# KiCad board CPU2908C3bak.kicad_pcb (continued)
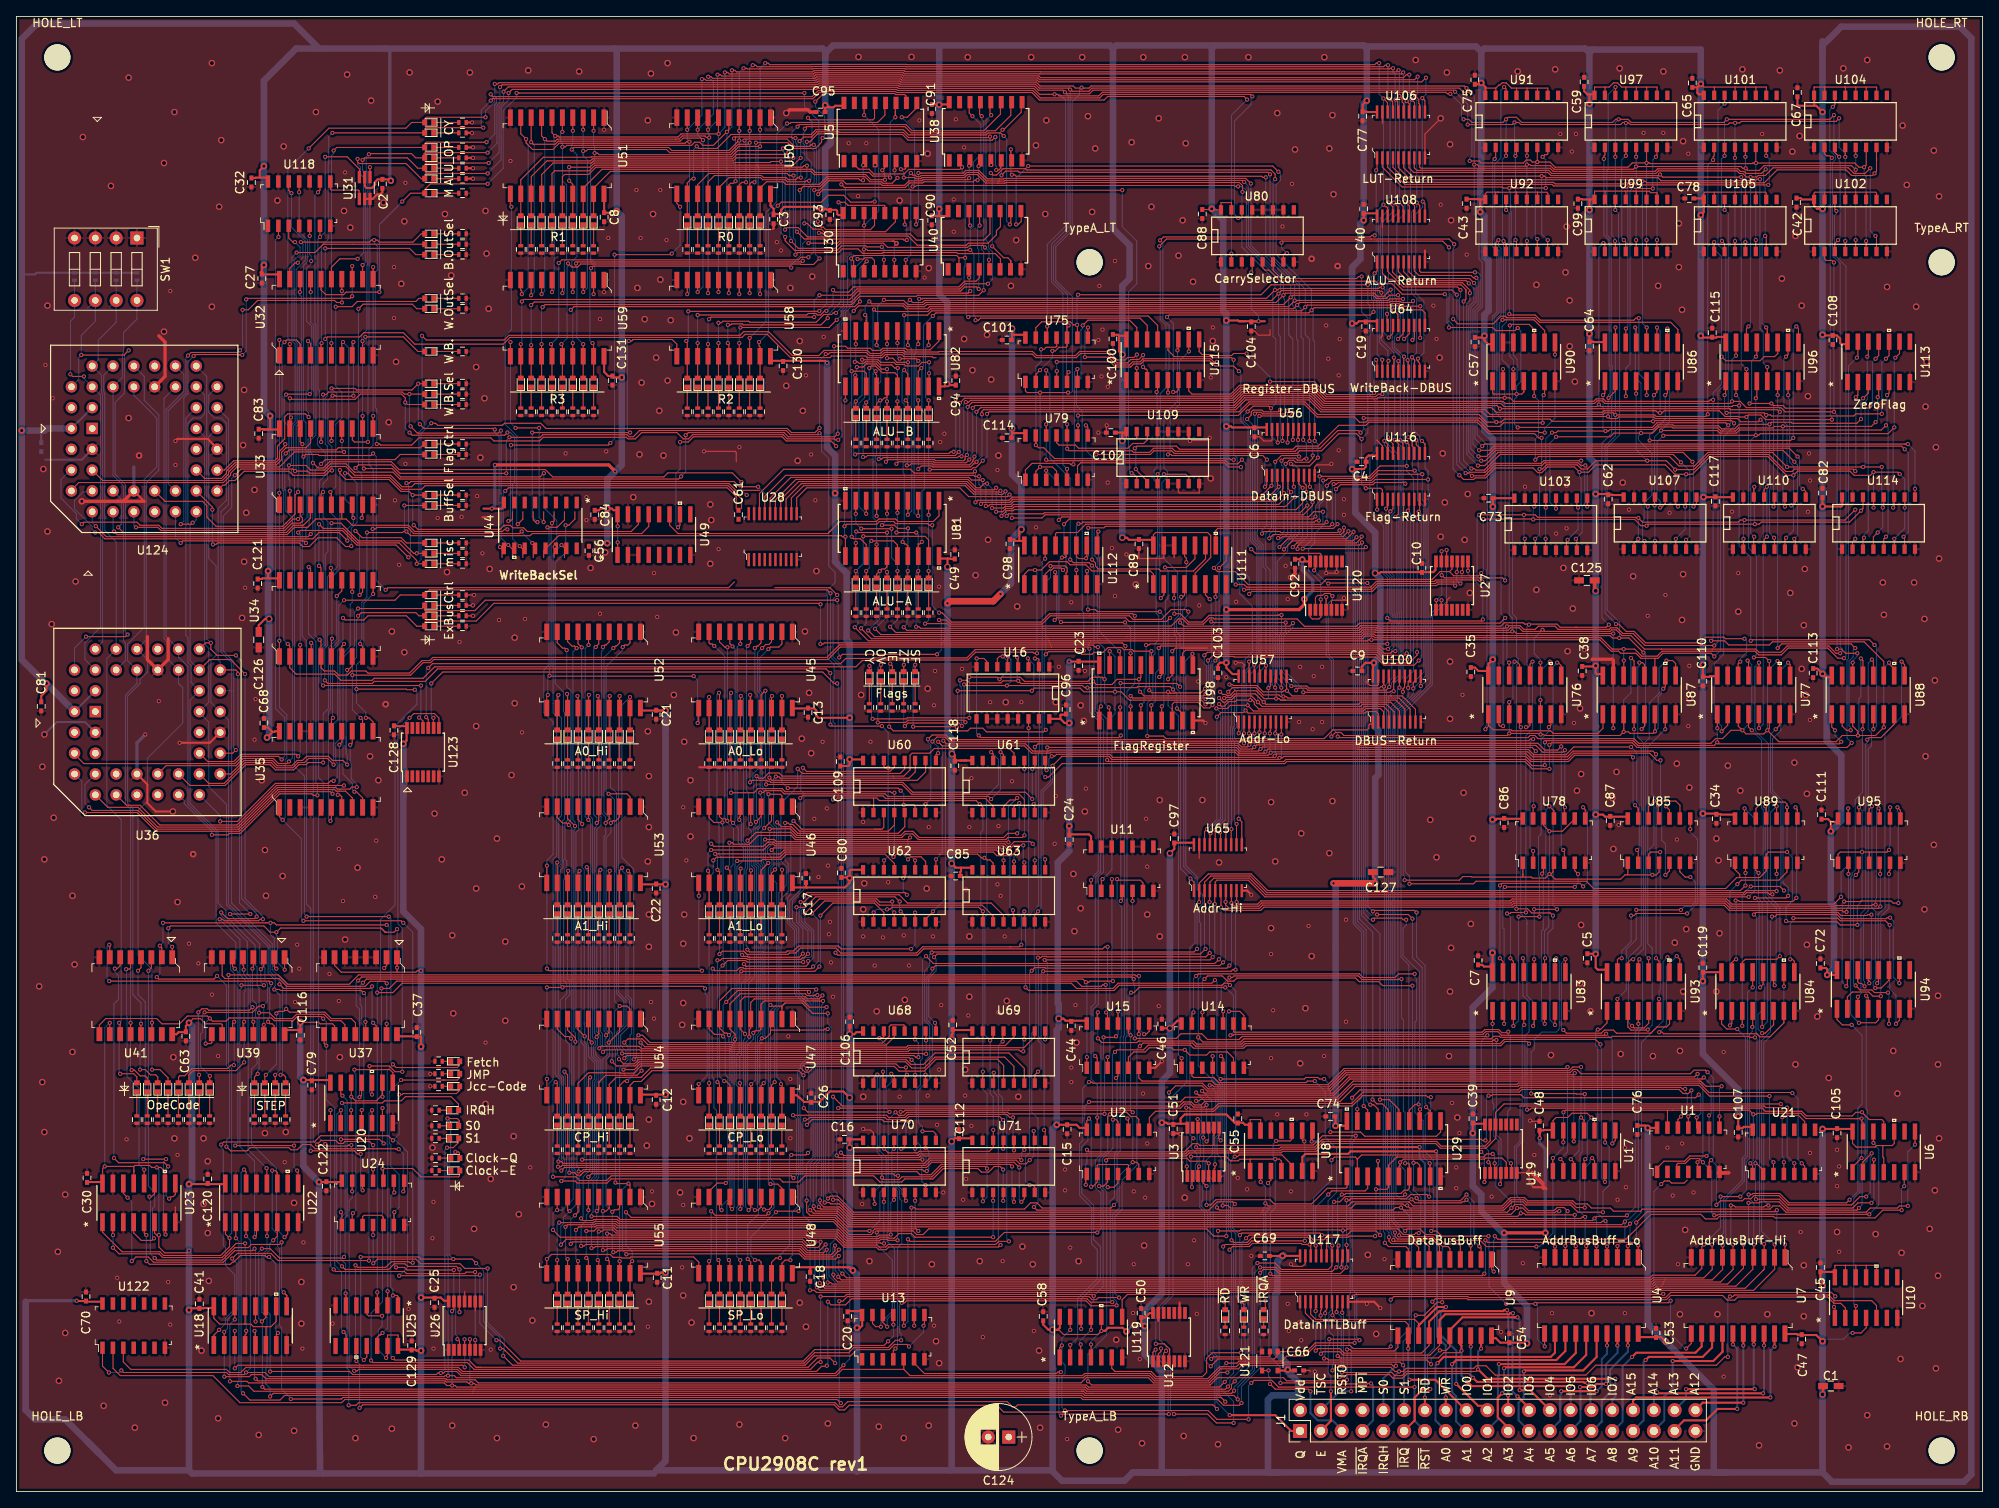
[diagram p0: board, top side]
## Routing (per net, layer and track width the routed paths; a pad name or vN(x,y) marks a point on that pad's centre or on a via; arc(x,y) is an arc through that point) (continued)
/EA8: length 256.1
  Top w0.127: 74.9,104.78 74.9,104.08 ; 74.9,104.08 74.9,104.58 ; 74.9,104.08 74.9,103.56 74.64,103.3 74.26,103.3 v1(74.01,103.05) ; 74.9,84.26 74.9,84.76 74.52,85.14 v1(72.28,85.14) ; v1(74.46,28.95) 74.52,29.01 95.56,29.01 96.19,28.38 100.01,28.38 v1(100.38,28.76) ; v1(208.01,36) v1(210.43,36) ; 205.73,28 205.73,27.23 204.9,26.4 199.71,26.4 199.4,26.09 101.33,26.09 v1(100.82,26.6) ; 74.9,36.63 74.9,37.39 v1(74.71,37.58) 73.25,37.58 v1(73.12,37.71) ; v1(205.98,30.15) 205.73,29.9 205.73,29.04 ; 211.93,58.65 211.93,56.74 v1(211.89,56.7) ; 74.9,57.97 74.9,58.87 74.53,59.24 v1(73.64,59.24)
  Bottom w0.127: v1(211.89,56.7) 211.89,56.15 211.56,55.82 211.56,40.63 211.17,40.24 211.17,36.74 v1(210.43,36) ; v1(100.82,26.6) 100.38,27.04 v1(100.38,28.76) ; v1(74.71,37.58) 73.97,36.84 73.97,29.44 v1(74.46,28.95) ; v1(74.01,103.05) 74.01,102.7 71.98,100.67 71.98,85.44 v1(72.28,85.14) 72.99,84.43 72.99,59.88 v1(73.64,59.24) 72.99,58.59 72.99,54.05 73.12,53.92 73.12,38.07 73.12,38.07 v1(73.12,37.71) ; v1(205.98,30.15) 208.01,32.19 v1(208.01,36)
/EA9: length 258.3
  Top w0.127: 207,28.4 207,27.11 205.97,26.08 201.29,26.08 201.28,26.09 199.76,26.09 199.51,25.84 100.7,25.84 v1(100.32,26.22) ; v1(72.87,29.21) 73.22,29.21 73.41,29.39 95.54,29.39 96.29,28.63 99.63,28.63 100.38,29.39 v1(100.38,29.52) ; v1(72.74,34.14) 72.99,34.39 73.42,34.39 73.63,34.6 73.63,35.82 ; 206.98,28.67 v1(206.98,30.15) ; 73.63,82.61 73.63,82.31 73.16,81.84 72.8,81.84 v1(72.55,81.59) ; v1(210.04,56.44) 208.77,56.44 208.14,57.08 208.14,58.47 ; 73.63,56.82 73.63,56.12 v1(72.3,54.79) ; v1(72.87,102.93) 73.12,103.18 73.25,103.18 73.63,103.56 73.63,104.58
  Bottom w0.127: v1(100.38,29.52) 99.94,29.08 99.94,26.97 100.32,26.6 v1(100.32,26.22) ; v1(206.98,30.15) 208.39,31.57 208.39,35.73 209.42,36.75 209.42,36.77 210.66,38.01 210.66,40.67 211.05,41.07 211.05,55.44 v1(210.04,56.44) ; v1(72.87,102.93) 71.72,101.78 71.72,82.9 72.55,82.07 v1(72.55,81.59) 72.55,80.37 71.98,79.8 71.98,56.33 72.42,55.89 72.42,55.26 72.3,55.15 v1(72.3,54.79) 72.4,54.69 72.4,53.18 71.98,52.76 71.98,34.9 v1(72.74,34.14) 72.74,29.33 v1(72.87,29.21)
/EA10: length 261.6
  Top w0.127: 72.36,104.78 72.36,103.69 71.97,103.3 71.85,103.3 v1(71.6,103.05) ; v1(71.6,29.46) 71.95,29.46 72.14,29.65 95.64,29.65 96.4,28.89 99.43,28.89 99.92,29.38 v1(99.92,30.03) ; 72.36,35.49 72.36,34.6 71.98,34.22 v1(71.6,34.22) ; 211.93,63.38 v1(211.93,61.52) ; 71.98,81.7 72.36,82.08 72.36,82.73 ; v1(208.27,30.03) 208.27,27.11 206.99,25.83 201.18,25.83 201.17,25.84 199.87,25.84 199.61,25.58 100.26,25.58 99.72,26.12 v1(99.72,26.48) ; 72.34,56.8 72.34,56.04 v1(71.98,55.68)
  Bottom w0.127: v1(71.6,29.46) v1(71.6,34.22) 71.6,49.93 71.6,52.76 72.09,53.25 72.09,54.35 71.86,54.58 71.86,55.21 71.98,55.33 v1(71.98,55.68) 71.98,55.97 71.72,56.23 71.72,79.92 71.93,80.12 v1(71.93,81.59) 71.93,82.29 71.42,82.8 71.42,102.52 71.6,102.7 v1(71.6,103.05) ; v1(99.92,30.03) 99.67,29.78 99.67,26.53 v1(99.72,26.48) ; v1(208.27,30.03) 208.65,30.41 208.65,35.61 210.91,37.87 210.91,40.57 211.31,40.96 211.31,55.92 211.31,60.9 v1(211.93,61.52)
/EA11: length 268.5
  Top w0.127: 71.09,83.44 71.09,81.84 v1(70.84,81.59) ; 71.09,35.82 71.09,34.47 v1(70.84,34.22) ; 71.09,103.94 71.09,103.43 v1(70.71,103.05) ; 209.54,28.4 209.54,27.11 208,25.57 201.07,25.57 201.07,25.58 199.97,25.58 199.72,25.33 99.57,25.33 99.38,25.51 v1(99.03,25.51) ; v1(98.9,29.52) 98.53,29.14 96.51,29.14 95.75,29.9 70.68,29.9 70.55,29.78 70.2,29.78 v1(70.2,29.71) ; 209.54,28.66 v1(209.54,30.15) ; U84.10 v1(215.74,61.65) ; 71.09,57.54 71.09,55.87 70.65,55.43 ; v1(209.27,34.91) 209.62,34.91 209.8,34.73 213.32,34.73 213.5,34.92 v1(213.85,34.92)
  Bottom w0.127: v1(98.9,29.52) 98.9,26.11 99.03,25.98 v1(99.03,25.51) ; v1(70.71,103.05) 70.46,102.8 70.46,82.62 70.84,82.24 v1(70.84,81.59) 70.84,81.19 70.58,80.94 70.58,55.93 70.92,55.6 70.92,54.47 70.71,54.26 70.71,53.28 71.34,52.65 71.34,50.03 71.09,49.78 71.09,38.31 70.84,38.05 v1(70.84,34.22) 70.84,33.2 70.2,32.57 v1(70.2,29.71) ; v1(209.54,30.15) 209.27,30.42 v1(209.27,34.91) ; v1(213.85,34.92) 213.85,34.98 213.28,35.56 213.28,54.72 215.74,57.19 v1(215.74,61.65)
  vias: v1(70.83,55.46)
/EA12: length 279.3
  Top w0.127: v1(69.82,34.34) 69.82,34.98 ; v1(69.82,81.97) 69.82,82.73 ; 69.82,104.78 69.84,104.77 v1(69.84,103.31) ; v1(98.78,30.15) 98.02,29.4 96.61,29.4 95.85,30.15 69.47,30.15 69.28,29.97 v1(68.93,29.97) ; v1(210.81,30.15) 210.81,27.26 208.87,25.32 200.97,25.32 200.96,25.33 200.08,25.33 199.82,25.07 98.76,25.07 98.54,25.29 98.54,25.78 98.46,25.86 v1(98.46,26.22) ; v1(224.9,34.6) 224.65,34.34 216.16,34.34 215.15,35.36 212.83,35.36 212.71,35.23 v1(211.43,35.23) ; v1(225.79,60.51) 226.03,60.27 U94.4 ; v1(70.23,54.79) 69.82,55.2 69.82,56.95
  Bottom w0.127: v1(225.79,60.51) 225.79,46.66 225.91,46.54 225.91,40.38 225.28,39.75 225.28,34.98 v1(224.9,34.6) ; v1(68.93,29.97) 68.93,32.44 69.58,33.09 69.58,33.75 69.82,33.99 v1(69.82,34.34) 69.82,37.76 70.58,38.52 70.58,49.99 70.84,50.24 70.84,52.44 70.2,53.07 70.2,54.77 v1(70.23,54.79) 70.07,54.95 70.07,81.72 v1(69.82,81.97) 69.44,82.35 69.44,102.91 v1(69.84,103.31) ; v1(211.43,35.23) 211.43,30.77 v1(210.81,30.15) ; v1(98.46,26.22) 98.46,29.84 v1(98.78,30.15)
/EA13: length 284
  Top w0.127: 68.55,57.08 68.55,56.7 ; v1(69.36,55.55) 68.55,56.37 U54.7 ; v1(69.07,81.46) 68.55,81.98 68.55,83.24 ; 211.95,29.55 212.08,29.67 v1(212.08,30.15) ; 211.95,29.55 211.95,28.56 ; 211.95,29.55 211.95,27.13 209.88,25.07 200.86,25.07 200.86,25.07 200.18,25.07 199.93,24.82 98.65,24.82 98.06,25.41 ; 68.55,104.78 68.55,103.46 v1(69,103.01) ; 68.55,34.73 68.55,34.6 ; 68.55,34.73 68.55,34.09 v1(68.17,33.71) ; 68.55,34.73 68.55,35.82 ; v1(223.76,35.62) 223.38,35.23 216.37,35.23 215.23,36.38 211.95,36.38 211.82,36.25 v1(211.44,36.25) ; v1(224.01,56.95) 222.87,56.95 222.22,57.6 U94.1 ; v1(98.16,30.48) 98.16,30.13 97.81,29.79 96.6,29.79 95.91,30.47 67.91,30.47 v1(67.66,30.22)
  Bottom w0.127: 98.03,25.48 98.02,25.48 98.02,26.43 98.03,26.44 98.03,30.36 ; v1(224.01,56.95) 225.28,55.68 225.28,47.3 224.78,46.79 224.78,36.63 v1(223.76,35.62) ; v1(67.66,30.22) 67.66,33.2 v1(68.17,33.71) 68.68,34.22 68.68,38.41 69.57,39.3 69.57,54.52 69.36,54.72 v1(69.36,55.55) 69.36,57.15 69.31,57.21 ; v1(69,103.01) 69,81.53 v1(69.07,81.46) 69.07,76.12 69.31,75.87 69.31,57.21 ; 69.31,57.21 69.31,56.83 ; v1(212.08,30.15) 212.08,35.22 211.44,35.85 v1(211.44,36.25)
  vias: v1(98.06,25.45)
/EA14: length 307.6
  Top w0.127: v1(67.53,34.22) 67.41,34.22 67.28,34.34 67.28,35.74 ; 213.21,26.99 211.02,24.81 200.51,24.81 200.5,24.82 200.29,24.82 200.03,24.57 98.07,24.57 v1(97.71,24.93) ; 213.21,26.99 213.33,27.12 ; 213.21,26.99 213.35,27.13 213.35,28.38 ; v1(226.17,62.03) 226.17,62.23 226.03,62.38 U94.13 ; 67.28,83.37 67.28,82.11 v1(68.19,81.21) ; v1(97.53,30.47) 97.1,30.04 96.7,30.04 95.96,30.79 67.12,30.79 v1(66.45,30.12) ; v1(212.08,70.41) 212.33,70.66 222.34,70.66 222.71,70.29 225.9,70.29 226.01,70.4 v1(226.43,70.4) ; 213.35,27.9 213.22,28.02 ; 213.22,28.02 213.25,28 ; 213.22,28.02 213.33,28.13 ; 213.33,28.58 v1(213.33,30.22) ; v1(68.38,102.92) 68.13,103.17 67.81,103.17 67.28,103.7 67.28,104.78 ; v1(68.23,54.91) 68.23,55.37 67.28,56.32 67.28,57.33
  Bottom w0.127: v1(66.45,30.12) 66.45,32.37 66.77,32.69 66.77,33.46 67.79,34.47 ; v1(213.33,30.22) 212.77,30.78 212.77,55.62 212.33,56.06 212.33,61.24 212.4,61.31 212.4,70.09 v1(212.08,70.41) ; 67.79,34.47 68.42,35.11 68.42,38.62 68.19,38.85 68.19,39.27 68.05,39.41 68.05,54.37 68.23,54.55 v1(68.23,54.91) 68.23,55.95 68.04,56.14 68.04,80.71 68.19,80.85 v1(68.19,81.21) 68.19,81.72 67.94,81.97 67.94,102.47 v1(68.38,102.92) ; 67.79,34.47 v1(67.53,34.22) ; v1(97.71,24.93) 97.46,25.18 97.46,30.41 v1(97.53,30.47) ; v1(226.43,70.4) 226.43,62.64 226.17,62.38 v1(226.17,62.03)
/EA15: length 309.7
  Top w0.127: 66.01,104.7 66.01,104.45 ; v1(67.42,81.33) 67.17,81.58 66.67,81.58 66.01,82.24 66.01,83.37 ; 66.01,104.83 66.01,103.58 66.67,102.92 66.92,102.92 v1(67.17,102.67) ; v1(96.9,30.48) 96.8,30.48 96.24,31.04 66.39,31.04 v1(65.5,31.93) ; v1(67.7,55.28) 67.45,55.53 66.93,55.53 66.01,56.44 66.01,56.82 ; 66.01,35.82 66.01,36.52 ; v1(66.01,34.34) 66.01,35.23 ; v1(214.62,30.15) 214.62,27.13 212.04,24.56 200.4,24.56 200.39,24.57 200.14,24.31 97.65,24.31 97.39,24.57 v1(96.87,24.57) ; v1(228.71,70.03) 228.36,70.03 228.23,69.91 222.74,69.91 222.24,70.41 214.89,70.41 214.65,70.17 v1(214.29,70.17) ; U94.10 v1(229.84,62.03)
  Bottom w0.127: v1(67.17,102.67) 67.17,98.22 67.67,97.71 67.67,81.94 67.42,81.69 v1(67.42,81.33) 67.79,80.97 67.79,55.72 67.7,55.63 v1(67.7,55.28) 67.79,55.19 67.79,39.31 67.94,39.17 67.94,38.75 67.97,38.71 67.97,35.67 66.64,34.34 ; 65.88,34.34 65.5,33.96 v1(65.5,31.93) ; 65.88,34.34 v1(66.01,34.34) 66.64,34.34 ; 65.88,34.34 66.64,34.34 ; v1(214.62,30.15) 213.02,31.75 213.02,55.03 214.11,56.11 214.11,69.63 214.29,69.81 v1(214.29,70.17) ; v1(96.9,30.48) 96.87,30.45 v1(96.87,24.57) ; v1(228.71,70.03) 229.09,69.65 229.09,62.78 v1(229.84,62.03)
/ED0: length 347
  Top w0.127: U9.9 169.9,29.61 169.61,29.9 167.48,29.9 v1(167.03,30.35) ; v1(91.41,174.3) 91.76,174.3 91.95,174.11 97,174.11 97.03,174.14 108.68,174.14 108.71,174.11 165.8,174.11 165.99,174.3 v1(166.34,174.3) ; 167.36,156.26 167.36,156.67 167.25,156.78 167.11,156.78 v1(166.86,157.03) ; v1(154.42,106.97) 154.06,106.97 154.01,106.92 145.58,106.92 144.77,106.1 143.09,106.1 142.08,107.12 v1(141.34,107.12) ; 166.72,137.75 v1(166.72,138.1) 166.72,137.22 ; U111.3 141.32,109.04 v1(141.3,109.02) ; U59.2 v1(70.45,146.1) ; 167.36,168.71 167.36,169.49 v1(166.86,169.98) ; U116.18 167.38,127.79 v1(166.97,128.2) ; U50.2 v1(90.78,166.17) ; 166.85,98.86 166.85,98.64 166.91,98.58 v1(166.91,98.23) 166.56,98.23 166.37,98.04 157.76,98.04 157.51,98.29 v1(155.63,98.29) ; v1(90.78,164.14) 88.19,164.14 87.18,163.12 71.13,163.12 70.94,163.32 v1(70.58,163.32) ; U51.2 v1(70.45,166.04) ; v1(90.78,146.1) 90.78,147.12
  Bottom w0.127: v1(154.42,106.97) 154.42,104.79 154.16,104.54 154.16,99.75 v1(155.63,98.29) ; v1(70.45,146.1) 70.45,148.38 70.6,148.52 70.6,149.91 70.09,150.42 70.09,161.98 70.58,162.47 v1(70.58,163.32) 70.58,164.14 70.45,164.27 v1(70.45,166.04) ; 90.78,165.79 90.78,173.66 v1(91.41,174.3) ; 90.78,165.79 v1(90.78,164.14) 90.54,163.9 90.54,146.34 v1(90.78,146.1) ; 90.78,165.79 v1(90.78,166.17) ; v1(166.34,174.3) 166.34,170.5 v1(166.86,169.98) v1(166.86,157.03) 166.23,156.39 166.23,147.78 165.66,147.21 165.66,145.57 166.1,145.13 166.1,138.72 v1(166.72,138.1) 166.72,134.57 167.18,134.12 167.18,133.69 166.99,133.51 166.99,128.21 v1(166.97,128.2) 166.97,127.69 168.25,126.42 168.25,119.51 167.88,119.15 167.88,112.07 168.15,111.79 168.15,107.15 168.28,107.03 168.28,106.18 168.15,106.06 168.15,103.04 167.88,102.76 167.88,102.6 167.87,102.6 167.87,99.19 v1(166.91,98.23) 166.91,97.87 166.99,97.79 166.99,47.03 166.85,46.89 166.85,31.69 167.03,31.51 v1(167.03,30.35) ; v1(141.34,107.12) 141.34,108.98 v1(141.3,109.02)
/ED1: length 347.3
  Top w0.127: v1(167.48,137.98) 167.38,137.88 U64.3 ; U58.3 v1(89.5,146.23) ; 167.99,168.97 167.99,169.6 167.92,169.67 167.92,169.67 v1(167.67,169.92) ; v1(145.85,106.17) 145.98,106.04 v1(154.93,106.04) ; v1(167.41,174.04) 167.06,174.04 166.87,173.86 108.6,173.86 108.57,173.89 97.14,173.89 97.11,173.86 90.43,173.86 90.24,174.04 v1(89.89,174.04) ; v1(167.51,157.28) 167.76,157.03 167.76,157.02 168.01,156.77 168.01,156.14 ; U9.8 171.17,29.03 ; 167.48,98.99 167.58,98.89 v1(167.58,98.18) 167.18,97.79 157.66,97.79 157.41,98.03 156.46,98.03 v1(156.21,97.78) ; U116.17 168.03,127.85 167.68,128.2 167.68,128.39 v1(167.43,128.64) ; v1(167.54,31.04) 167.54,30.58 167.86,30.26 170.69,30.26 171.17,29.79 171.17,28.76 ; v1(69.19,166.17) 69.19,167.31 ; U111.6 145.13,109.42 v1(145.66,108.89) ; v1(69.19,163.57) 69.54,163.57 69.73,163.76 79.36,163.76 79.74,163.38 87.07,163.38 88.09,164.4 89.31,164.4 v1(89.5,164.6) ; U59.3 v1(69.19,146.36) ; v1(89.5,166.04) 89.5,167.06
  Bottom w0.127: v1(167.54,31.04) 167.54,31.59 167.1,32.03 167.1,46.76 167.24,46.9 167.24,97.85 v1(167.58,98.18) 167.83,98.43 167.83,98.7 168.75,99.62 168.75,105.94 168.79,105.97 168.79,107.24 168.76,107.26 168.76,119.14 168.75,119.15 168.75,126.44 167.43,127.76 v1(167.43,128.64) 167.43,134.22 167.42,134.23 167.42,137.66 ; 167.42,137.66 167.42,139.18 166.36,140.25 166.36,145.24 165.91,145.68 165.91,147.11 166.48,147.68 166.48,155.39 167.51,156.42 v1(167.51,157.28) 167.51,157.78 167.5,157.79 167.67,157.96 v1(167.67,169.92) 167.41,170.18 v1(167.41,174.04) ; 167.42,137.66 167.42,137.92 v1(167.48,137.98) ; 89.5,165.66 89.5,173.66 v1(89.89,174.04) ; 89.5,165.66 v1(89.5,164.6) v1(89.5,146.23) ; 89.5,165.66 v1(89.5,166.04) ; 69.19,163 v1(69.19,166.17) ; 69.19,163 69.69,162.49 69.69,146.87 v1(69.19,146.36) ; 69.19,163 v1(69.19,163.57) ; v1(145.66,108.89) 145.85,108.7 v1(145.85,106.17) ; v1(156.21,97.78) 156.21,98.36 154.42,100.15 154.42,104.44 154.93,104.94 v1(154.93,106.04)
/ED2: length 360.1
  Top w0.127: v1(67.92,146.36) 67.92,147.76 ; v1(168.14,157.27) 168.63,156.79 168.63,156.14 ; U50.4 v1(88.23,166.04) ; v1(168.35,169.86) 168.61,169.6 168.61,168.6 ; v1(142.04,106.05) 142.49,105.6 155.44,105.6 v1(155.81,105.97) ; U51.4 v1(67.92,166.04) ; v1(168.07,30.7) 168.21,30.56 171.79,30.56 172.44,29.92 U9.7 ; U116.16 168.68,127.89 v1(168.25,128.32) ; 167.99,137.09 168.13,137.23 v1(168.13,138.36) ; v1(88.23,164.85) 88.18,164.85 86.97,163.63 80,163.63 79.62,164.01 68.04,164.01 v1(67.79,163.76) ; 168.12,98.92 168.11,98.92 v1(168.11,97.65) 167.76,97.65 167.64,97.53 v1(157.09,97.53) ; v1(88.23,146.1) 88.23,147.25 ; v1(168.03,173.67) 167.68,173.67 167.6,173.59 108.51,173.59 108.47,173.63 97.24,173.63 97.21,173.59 89.19,173.59 89.11,173.67 v1(88.76,173.67) ; U111.13 142.59,114.12 142.8,113.9 v1(142.8,113.4)
  Bottom w0.127: v1(168.03,173.67) 168.03,173.22 168.28,172.97 168.28,169.31 168.35,169.24 ; v1(67.92,146.36) 67.92,149.51 67.78,149.64 67.78,150.05 68.42,150.69 68.42,163.12 v1(67.79,163.76) 67.79,164.39 67.92,164.52 v1(67.92,166.04) ; v1(157.09,97.53) 157.09,97.89 154.67,100.3 154.67,104.33 155.81,105.47 v1(155.81,105.97) ; 168.35,169.24 v1(168.35,169.86) ; 168.35,169.24 168.35,157.48 v1(168.14,157.27) 168.14,156.28 166.74,154.88 166.74,147.57 166.17,147 166.17,145.79 166.61,145.34 166.61,140.5 168.13,138.98 v1(168.13,138.36) 168.25,138.25 v1(168.25,128.32) 169.01,127.56 169.01,119.25 169.02,119.24 169.02,107.37 169.04,107.34 169.04,105.87 169.01,105.83 169.01,99.47 168.76,99.23 ; 88.23,165.66 88.23,173.15 v1(88.76,173.67) ; 88.23,165.66 v1(88.23,166.04) ; 88.23,165.66 v1(88.23,164.85) v1(88.23,146.1) ; 168.76,99.23 168.88,99.35 ; 168.76,99.23 168.11,98.58 v1(168.11,97.65) 167.5,97.04 167.5,47.09 167.53,46.95 167.53,46.83 167.36,46.65 167.36,32.17 167.83,31.69 167.83,31.4 168.07,31.17 v1(168.07,30.7) ; v1(142.8,113.4) 142.8,107.99 142.35,107.54 142.35,106.67 142.04,106.36 v1(142.04,106.05)
/ED3: length 347.2
  Top w0.127: 169.26,156.14 169.26,156.84 v1(168.76,157.33) ; v1(66.64,165.92) 66.64,167.19 ; U106.15 169.33,169.37 169.15,169.55 169.15,169.94 v1(168.81,170.29) ; 155.67,117.53 146.66,117.53 146.4,117.28 U111.10 ; 155.67,117.53 160.75,117.53 v1(161.26,118.04) ; 155.67,117.53 155.8,117.53 ; v1(168.71,173.44) 168.5,173.23 125.03,173.23 125.01,173.25 108.49,173.25 108.36,173.38 97.35,173.38 97.2,173.23 87.89,173.23 87.7,173.42 v1(87.35,173.42) ; v1(161.07,122.31) 161.62,122.86 165.59,122.86 165.85,123.12 169.4,123.12 v1(169.53,122.99) ; 66.64,147.83 v1(66.64,146.23) ; U50.5 86.97,166.16 v1(86.73,165.92) 85.08,164.27 83.79,164.27 83.41,164.65 82.79,164.65 82.41,164.27 67.19,164.27 67,164.08 v1(66.64,164.08) ; U58.5 v1(86.97,146.23) ; v1(168.27,31.62) 168.27,31.12 168.58,30.82 172.8,30.82 173.71,29.92 U9.6 ; v1(168.69,137.95) 168.69,137.16 ; v1(168.82,98.1) 168.82,99.24 ; v1(168.93,128.27) 169.18,128.02 169.2,128.02 169.24,127.98 169.24,127.22
  Bottom w0.127: v1(168.27,31.62) 167.61,32.28 167.61,40.87 167.81,41.07 167.81,46.91 167.75,47.12 167.75,95.69 168.57,96.5 168.57,97.85 v1(168.82,98.1) 168.82,98.92 169.26,99.37 169.26,105.72 169.3,105.76 169.3,118.48 169.27,118.51 169.27,122.73 v1(169.53,122.99) 169.26,123.26 169.26,127.93 v1(168.93,128.27) 168.93,137.39 ; v1(161.26,118.04) 161.02,118.28 161.02,122.27 v1(161.07,122.31) ; v1(87.35,173.42) 87.35,166.54 v1(86.73,165.92) 86.73,147.12 86.97,146.88 v1(86.97,146.23) ; 168.93,137.39 168.93,137.71 v1(168.69,137.95) ; 168.93,137.39 168.93,138.57 167.95,139.55 167.95,141.02 167.75,141.22 167.75,143.9 167.67,143.98 167.67,145.92 167.3,146.28 167.3,146.61 167.3,146.61 167.3,147.34 167.48,147.52 167.48,154.87 168.76,156.15 v1(168.76,157.33) 168.81,157.38 v1(168.81,170.29) 168.81,173.34 v1(168.71,173.44) ; v1(66.64,146.23) 66.9,146.49 66.9,150.17 67.15,150.42 67.15,159.44 66.66,159.93 66.66,164.52 66.41,164.77 66.41,165.68 v1(66.64,165.92)
/ED4: length 375.6
  Top w0.127: v1(158.57,118.98) 158.26,118.67 128.51,118.67 v1(127.88,118.04) ; v1(169.7,125.15) 166.44,125.15 165.17,123.88 159.42,123.88 v1(159.07,123.88) ; v1(86.47,173.16) 86.83,173.16 87.01,172.98 97.31,172.98 97.46,173.13 108.26,173.13 108.39,173 124.9,173 124.92,172.98 169.09,172.98 v1(169.28,173.16) ; U51.6 65.38,165.81 v1(65.77,165.41) 66.13,165.41 66.25,165.28 80.76,165.28 81.14,165.66 v1(85.71,165.66) 85.69,165.68 U50.6 ; U59.6 v1(65.38,146.36) ; 170.02,156.29 170.02,156.89 v1(169.48,157.43) ; 170.02,168.71 170.02,169.33 v1(169.7,169.66) ; v1(169.37,138.49) 169.33,138.45 U64.6 ; U100.14 169.47,98.58 169.44,98.54 169.44,98.15 169.24,97.94 v1(169.24,97.59) ; 127.86,112.34 v1(127.75,112.45) 127.5,112.7 126.6,112.7 126.35,112.45 126.08,112.45 125.57,111.94 U112.3 ; U116.14 169.98,127.77 v1(169.68,128.07) ; v1(168.79,31.26) 168.93,31.11 170.97,31.11 170.98,31.1 172.88,31.1 174.08,29.9 174.74,29.9 174.98,29.66 U9.5 ; U58.6 v1(85.69,146.36)
  Bottom w0.127: v1(86.47,173.16) 86.47,166.42 v1(85.71,165.66) 85.69,165.65 v1(85.69,146.36) ; v1(169.28,173.16) 169.28,170.08 v1(169.7,169.66) 169.48,169.44 v1(169.48,157.43) 169.48,155.96 168.51,154.99 168.51,148.02 168.2,147.71 168.2,145.77 168.43,145.54 168.43,144.48 168.64,144.27 168.64,141.29 168.2,140.86 168.2,139.65 v1(169.37,138.49) 169.37,128.38 v1(169.68,128.07) 169.7,128.05 v1(169.7,125.15) 169.7,124.54 170.53,123.71 170.53,100.13 169.44,99.04 169.44,98.15 169.24,97.94 v1(169.24,97.59) 169.24,96.74 168.01,95.51 168.01,47.15 168.08,46.87 168.08,40.98 167.87,40.77 167.87,33.02 168.79,32.1 v1(168.79,31.26) ; v1(127.75,112.45) 128.13,112.83 128.13,114.1 127.88,114.36 v1(127.88,118.04) ; v1(65.77,165.41) 65.64,165.28 65.64,146.63 v1(65.38,146.36) ; v1(159.07,123.88) 159.07,120.82 158.57,120.31 v1(158.57,118.98)
/ED5: length 372.6
  Top w0.127: v1(170.67,124.57) 166.23,124.57 165.28,123.63 160.11,123.63 159.86,123.38 v1(159.51,123.38) ; 170.66,156.01 170.66,156.9 170.45,157.11 170.43,157.11 v1(170.18,157.36) ; 170.66,169.09 170.66,169.49 v1(170.29,169.86) ; 84.42,167.06 v1(84.42,166.17) ; v1(169.89,128.66) 170.35,128.2 170.35,127.61 170.63,127.33 U116.13 ; 170.09,99.05 169.88,98.85 v1(169.88,98.07) ; v1(169.82,138.05) 169.9,137.98 169.9,136.96 ; v1(85.58,172.89) 85.94,172.89 86.1,172.72 97.41,172.72 97.56,172.87 108.15,172.87 108.28,172.74 124.8,172.74 125.02,172.52 169.31,172.52 169.67,172.89 v1(170.02,172.89) ; U112.6 v1(129.38,112.45) ; U58.7 v1(84.42,146.23) ; U9.4 176.25,30.04 176.07,30.22 174.29,30.22 173.15,31.36 172.01,31.36 171.31,32.06 169.77,32.06 v1(169.52,31.81) ; 64.11,167.06 64.11,165.42 v1(64.5,165.03) 64.75,164.78 65.78,164.78 66.03,165.03 80.88,165.03 81.27,165.41 84.06,165.41 84.06,165.38 84.21,165.22 v1(84.57,165.22) ; U59.7 v1(64.11,146.1) ; v1(129.64,118.11) 129.99,118.11 130.18,118.29 158.43,118.29 158.62,118.48 v1(158.97,118.48)
  Bottom w0.127: v1(159.51,123.38) 159.51,120.9 159.03,120.42 159.03,118.54 v1(158.97,118.48) ; v1(84.42,146.23) 84.42,165.08 v1(84.57,165.22) 84.57,165.65 84.42,165.79 v1(84.42,166.17) 85.58,167.33 v1(85.58,172.89) ; v1(129.38,112.45) 129.38,117.85 v1(129.64,118.11) ; 64.49,165.01 64.49,146.49 v1(64.11,146.1) ; v1(169.52,31.81) 168.12,33.2 168.12,40.66 168.33,40.88 168.33,47.11 168.26,47.19 168.26,95.4 169.88,97.03 v1(169.88,98.07) 171.8,99.98 171.8,120.2 171.04,120.96 171.04,124.21 v1(170.67,124.57) 170.42,124.82 170.42,128.13 v1(169.89,128.66) 169.82,128.73 v1(169.82,138.05) 169.82,140.43 169.82,140.43 169.82,157 v1(170.18,157.36) 170.18,169.74 v1(170.29,169.86) 170.02,170.12 v1(170.02,172.89)
/ED6: length 378.6
  Top w0.127: v1(83.81,164.9) 83.55,165.16 81.39,165.16 81.01,164.77 66.13,164.77 65.76,164.4 63.08,164.4 v1(62.83,164.65) U51.8 ; v1(62.83,145.98) 62.83,147.5 ; v1(159.92,118.29) 159.67,118.04 130.53,118.04 129.51,117.02 126.99,117.02 126.84,116.88 U112.13 ; v1(159.95,122.74) 160.59,123.37 165.38,123.37 166.15,124.13 v1(171.61,124.13) ; v1(170.87,128.28) 170.87,127.74 171.28,127.33 U116.12 ; 170.66,137.22 170.66,138.1 170.55,138.21 170.53,138.21 v1(170.34,138.4) ; v1(170.28,35.67) 170.72,35.23 176.35,35.23 176.48,35.37 176.76,35.37 v1(177.01,35.62) ; U9.3 v1(177.52,30.03) ; 171.29,155.88 171.29,156.92 v1(170.93,157.28) ; 170.72,98.92 170.51,98.71 v1(170.51,98) ; U58.8 v1(83.16,146.36) ; v1(84.44,172.63) 84.79,172.63 84.98,172.45 97.22,172.45 97.24,172.47 97.52,172.47 97.67,172.62 108.05,172.62 108.18,172.49 124.69,172.49 124.91,172.27 170.66,172.27 v1(171.04,172.65) ; v1(170.73,170.3) 171.18,169.85 171.18,169.37 171.28,169.26 U106.12 ; v1(83.16,166.17) 83.16,166.81
  Bottom w0.127: v1(62.83,164.65) 63.22,164.27 63.22,146.36 v1(62.83,145.98) ; v1(171.04,172.65) 171.04,170.61 v1(170.73,170.3) 170.73,169.95 170.93,169.75 v1(170.93,157.28) 170.93,156.77 170.29,156.14 170.29,146.23 170.91,145.61 170.91,138.97 v1(170.34,138.4) 170.34,138.05 170.28,137.98 170.28,128.88 v1(170.87,128.28) 171.12,128.03 171.12,124.62 v1(171.61,124.13) 171.61,121.03 172.06,120.58 172.06,99.55 v1(170.51,98) 170.51,97.29 169.03,95.81 ; 169.03,95.81 168.64,95.43 ; 169.03,95.81 168.63,95.41 168.63,40.81 168.37,40.56 168.37,36.28 168.98,35.67 v1(170.28,35.67) ; v1(159.95,122.74) 159.95,118.32 v1(159.92,118.29) ; v1(177.52,30.03) 177.52,35.11 v1(177.01,35.62) ; v1(83.16,146.36) 83.81,147.01 v1(83.81,164.9) 83.17,165.54 83.16,165.54 v1(83.16,166.17) 85.08,168.09 85.08,172 v1(84.44,172.63)
/ED7: length 380.9
  Top w0.127: U51.9 61.56,165.68 v1(62.22,165.03) 62.22,164.55 63.01,163.76 65.49,163.76 66.25,164.52 81.61,164.52 81.8,164.71 v1(82.16,164.71) ; v1(160.62,118.04) 160.37,117.78 132.94,117.78 132.75,117.6 v1(130.84,117.6) ; v1(172.31,123.5) 165.87,123.5 165.49,123.12 161.33,123.12 161.14,122.93 v1(160.79,122.93) ; v1(171.42,98.29) 171.42,99.24 ; 61.56,147.5 61.56,146.61 61.69,146.49 v1(61.69,146.1) ; v1(177.01,36.25) 176.25,35.49 171.18,35.49 170.91,35.76 ; 129.38,114.61 129.38,114.12 129.65,113.85 130.54,113.85 v1(130.57,113.88) 130.65,113.96 130.65,115.45 ; v1(171.08,138.24) 171.08,137.89 171.29,137.67 171.29,137.09 ; U9.2 178.79,29.71 v1(178.57,29.93) ; v1(83.68,172.35) 84.03,172.35 84.19,172.19 97.32,172.19 97.35,172.21 97.62,172.21 97.77,172.36 107.94,172.36 108.07,172.23 124.59,172.23 124.8,172.02 171.55,172.02 v1(172.06,172.52) ; v1(171.6,170.04) 171.85,169.79 171.87,169.79 171.93,169.73 171.93,168.84 ; v1(171.56,128.2) 171.93,127.83 U116.11 ; 171.93,155.88 171.93,157.14 v1(171.66,157.41) ; v1(81.89,146.1) 81.89,147.38 ; U50.9 v1(81.89,166.17)
  Bottom w0.127: 171.31,128.63 171.31,128.45 ; 171.31,128.45 171.31,128.73 170.53,129.51 170.53,137.7 v1(171.08,138.24) 171.8,138.97 171.8,145.23 170.8,146.23 170.8,155.88 171.66,156.74 v1(171.66,157.41) 171.6,157.47 v1(171.6,170.04) 172.06,170.49 v1(172.06,172.52) ; 171.31,128.45 v1(171.56,128.2) 171.94,127.82 171.94,124.9 172.31,124.53 v1(172.31,123.5) 172.31,99.18 v1(171.42,98.29) 171.42,97.84 169.01,95.43 169.01,65.22 169.96,64.27 169.96,36.75 v1(170.91,35.8) ; v1(62.22,165.03) 62.22,164.61 62.47,164.36 62.47,146.88 v1(61.69,146.1) ; v1(130.57,113.88) 130.84,114.14 v1(130.84,117.6) ; v1(83.68,172.35) 83.68,167.97 v1(81.89,166.17) 81.89,164.98 v1(82.16,164.71) 82.16,146.38 v1(81.89,146.1) ; v1(177.01,36.25) 177.91,35.34 177.91,30.58 v1(178.57,29.93) ; v1(160.62,118.04) 160.62,122.77 v1(160.79,122.93)
/ExBusCtrl0: length 320.3
  Top w0.127: 49.75,109.4 46.85,109.4 46.21,108.77 v1(39.99,108.77) ; v1(205.96,50.53) 205.78,50.35 162.79,50.35 160.82,48.37 144.33,48.37 v1(144,48.7) ; v1(99.37,109.6) 98.94,110.03 50.42,110.03 49.84,109.45 D24.2 ; v1(145.85,16.18) 146.1,16.44 152.89,16.44 153,16.55 153,16.95 ; v1(38.34,81.84) 38.45,81.95 U35.6 ; U1.1 200.26,39.49 201.09,40.31 203.62,40.31 204.25,40.95 v1(206.29,40.95) ; 144.88,43.21 v1(144.87,43.2) ; v1(145.27,47.17) 145.02,46.92 143.68,46.92 143.31,47.29 142.59,47.29 142.09,46.79 100.67,46.79 v1(100.32,46.79)
  Bottom w0.127: v1(38.34,81.84) 38.09,82.09 38.09,95.18 38.34,95.43 38.34,102.79 39.36,103.81 39.36,108.13 v1(39.99,108.77) ; v1(145.85,16.18) 145.4,16.63 145.4,34.07 144.71,34.77 144.71,35.45 144.8,35.54 144.8,40.34 144.93,40.47 144.93,42.42 144.83,42.52 144.83,43.17 v1(144.87,43.2) 144.87,43.56 145.27,43.96 v1(145.27,47.17) 145.27,47.43 v1(144,48.7) ; v1(206.29,40.95) 206.62,41.27 v1(206.62,45.9) 206.87,46.16 206.87,49.63 v1(205.96,50.53) ; v1(99.37,109.6) 99.37,101.84 100.7,100.52 100.7,47.17 v1(100.32,46.79)
